# Altium PCB pay-ssm-v4-4.PcbDoc (part 1 of 4)
Units mm, origin at the board's own origin, x right, y up, seen from the top; angles counter-clockwise.
Board outline 127 x 55 mm, 6 copper layers (Top Layer, GND1, VCC, 3V3, GND2, Bottom Layer), stack 0.816 mm thick; 300 components, 219 nets, 1041 pads, 682 vias.
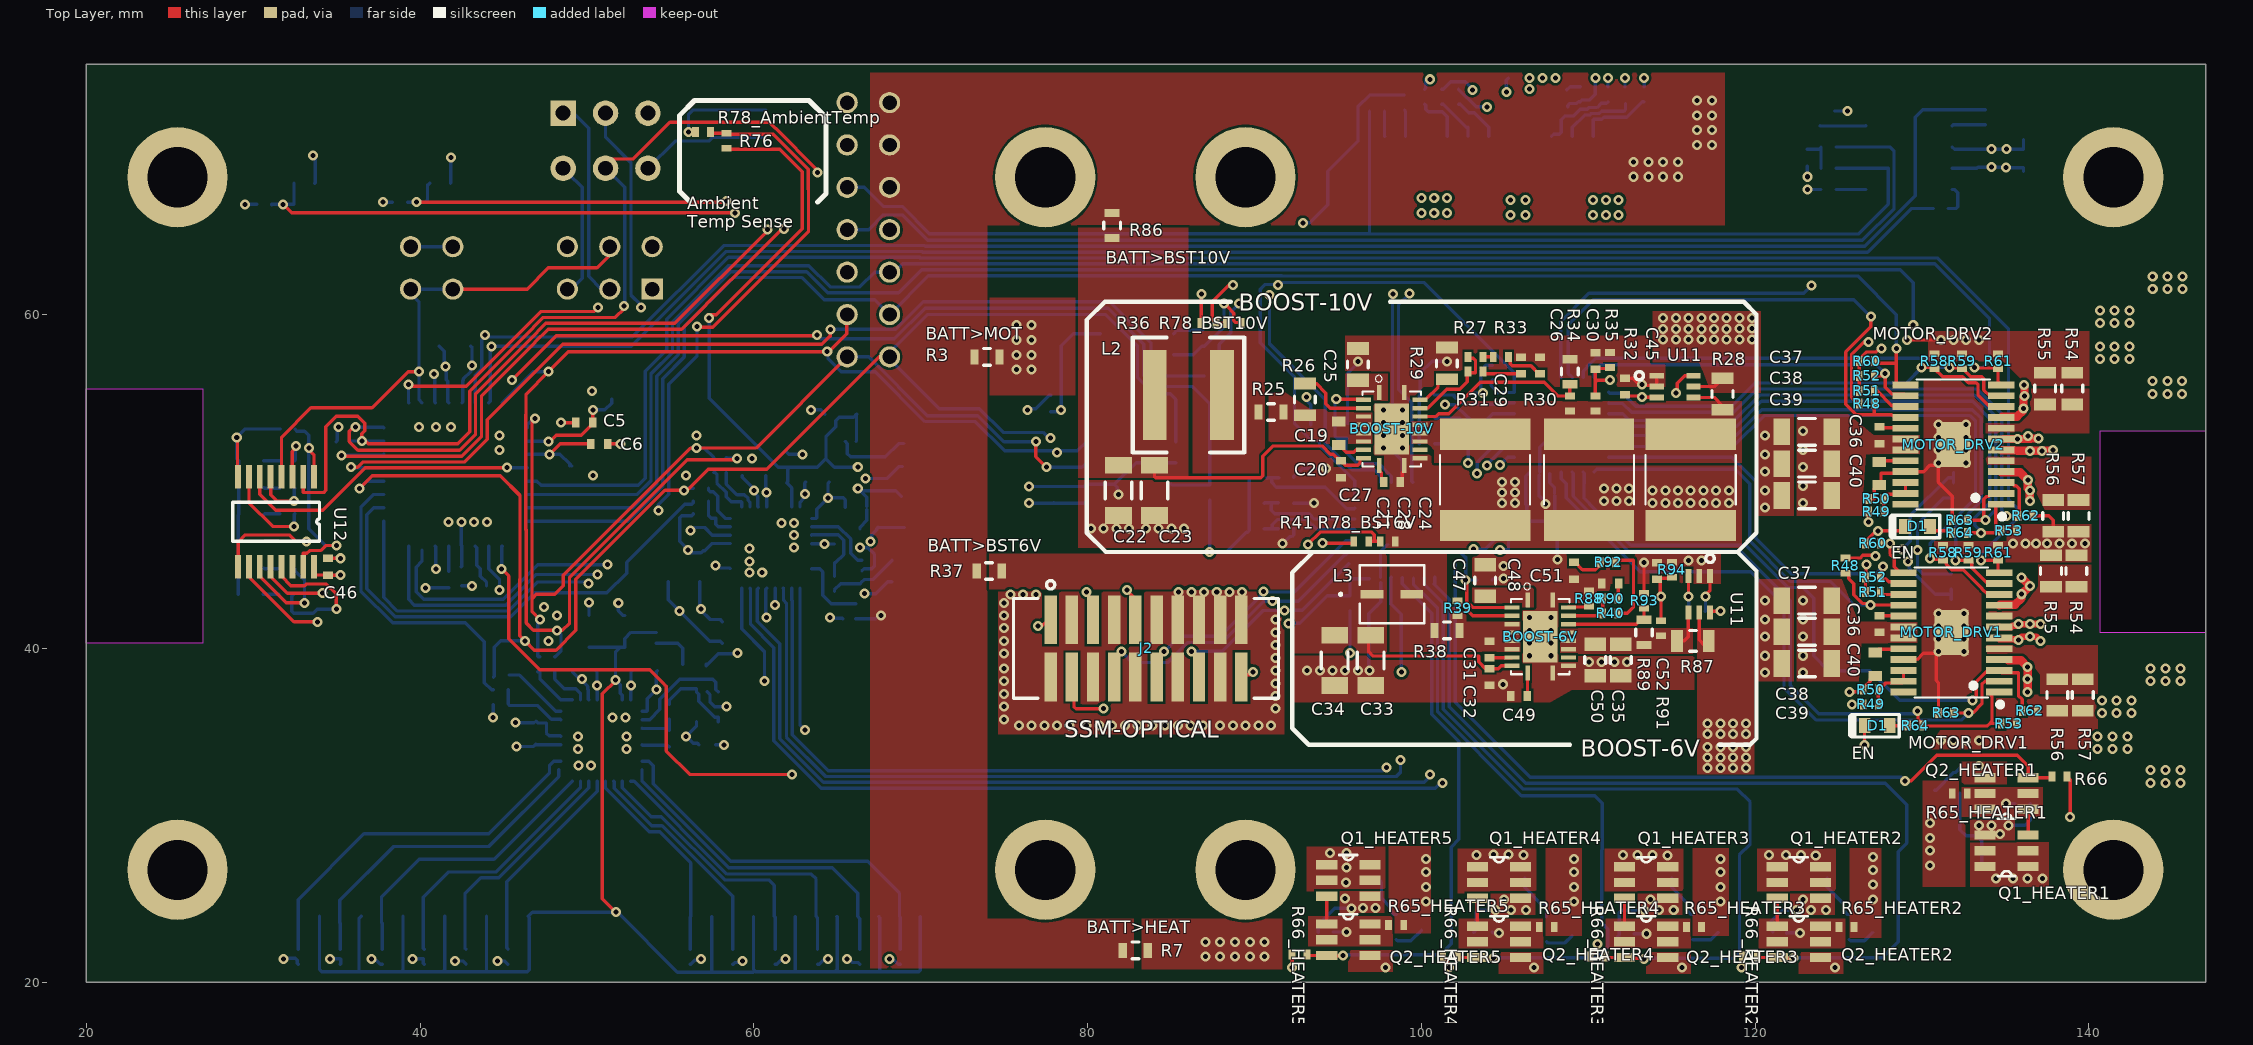
[diagram p0: Top Layer view]
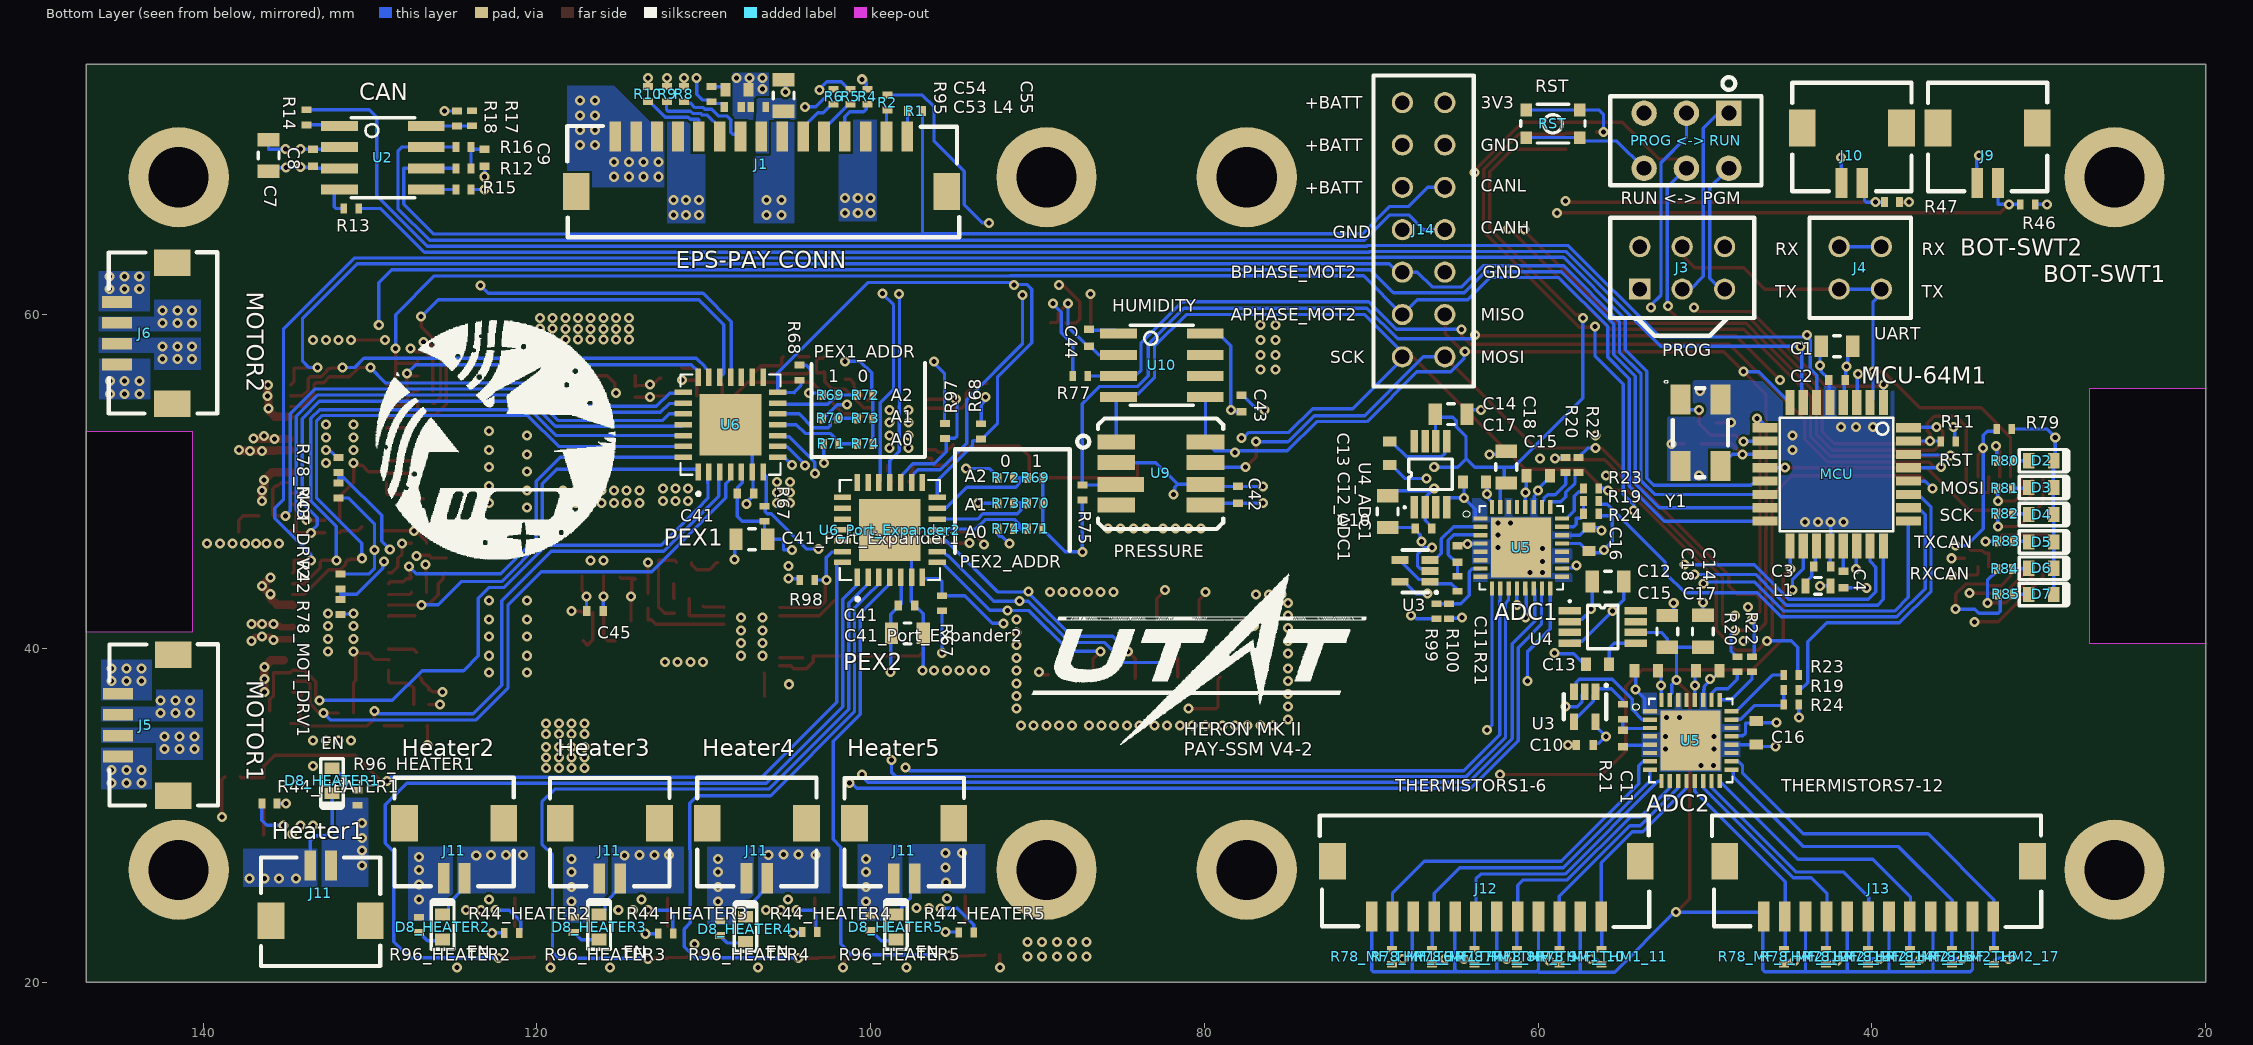
[diagram p1: Bottom Layer view, seen from below]
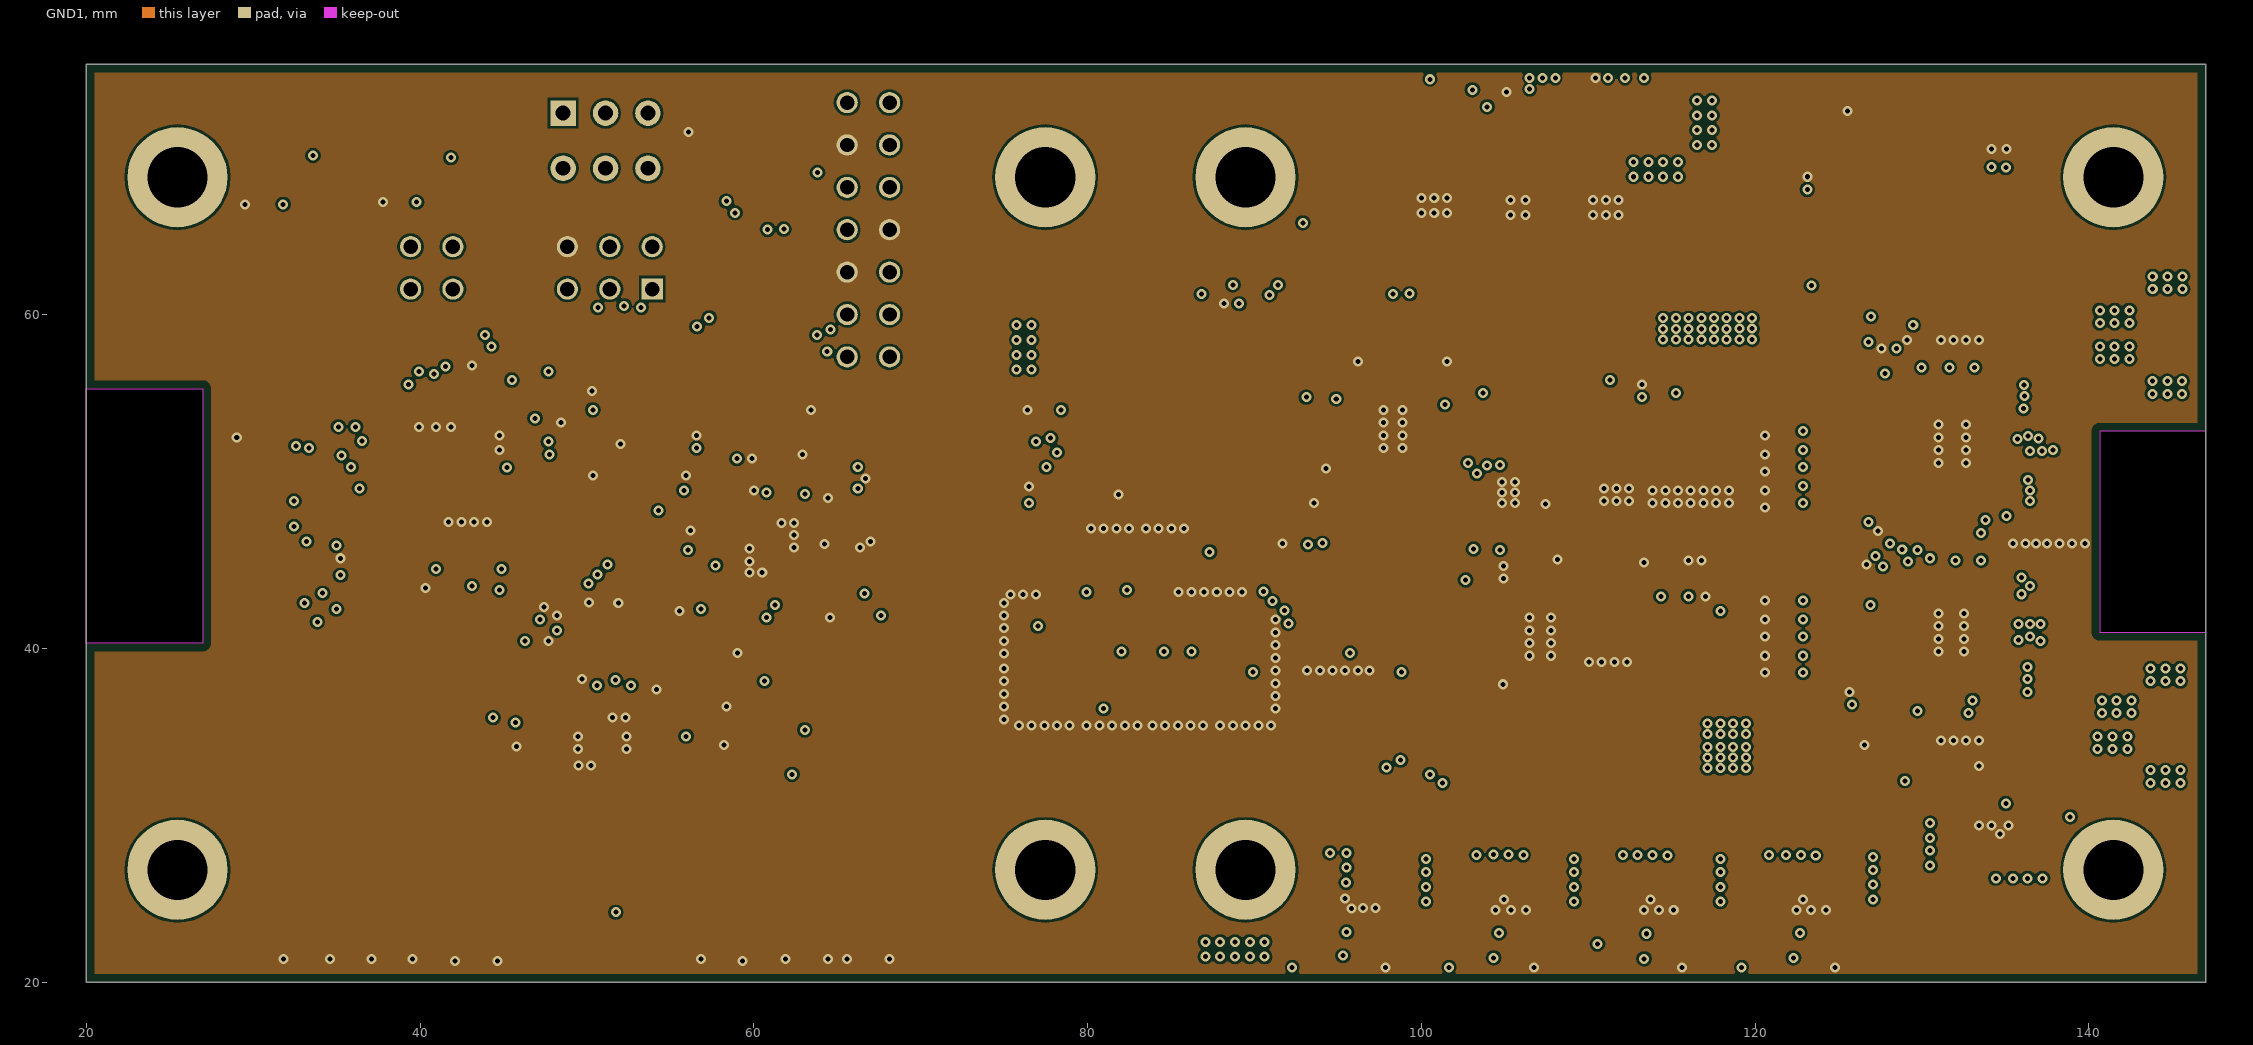
[diagram p2: GND1]
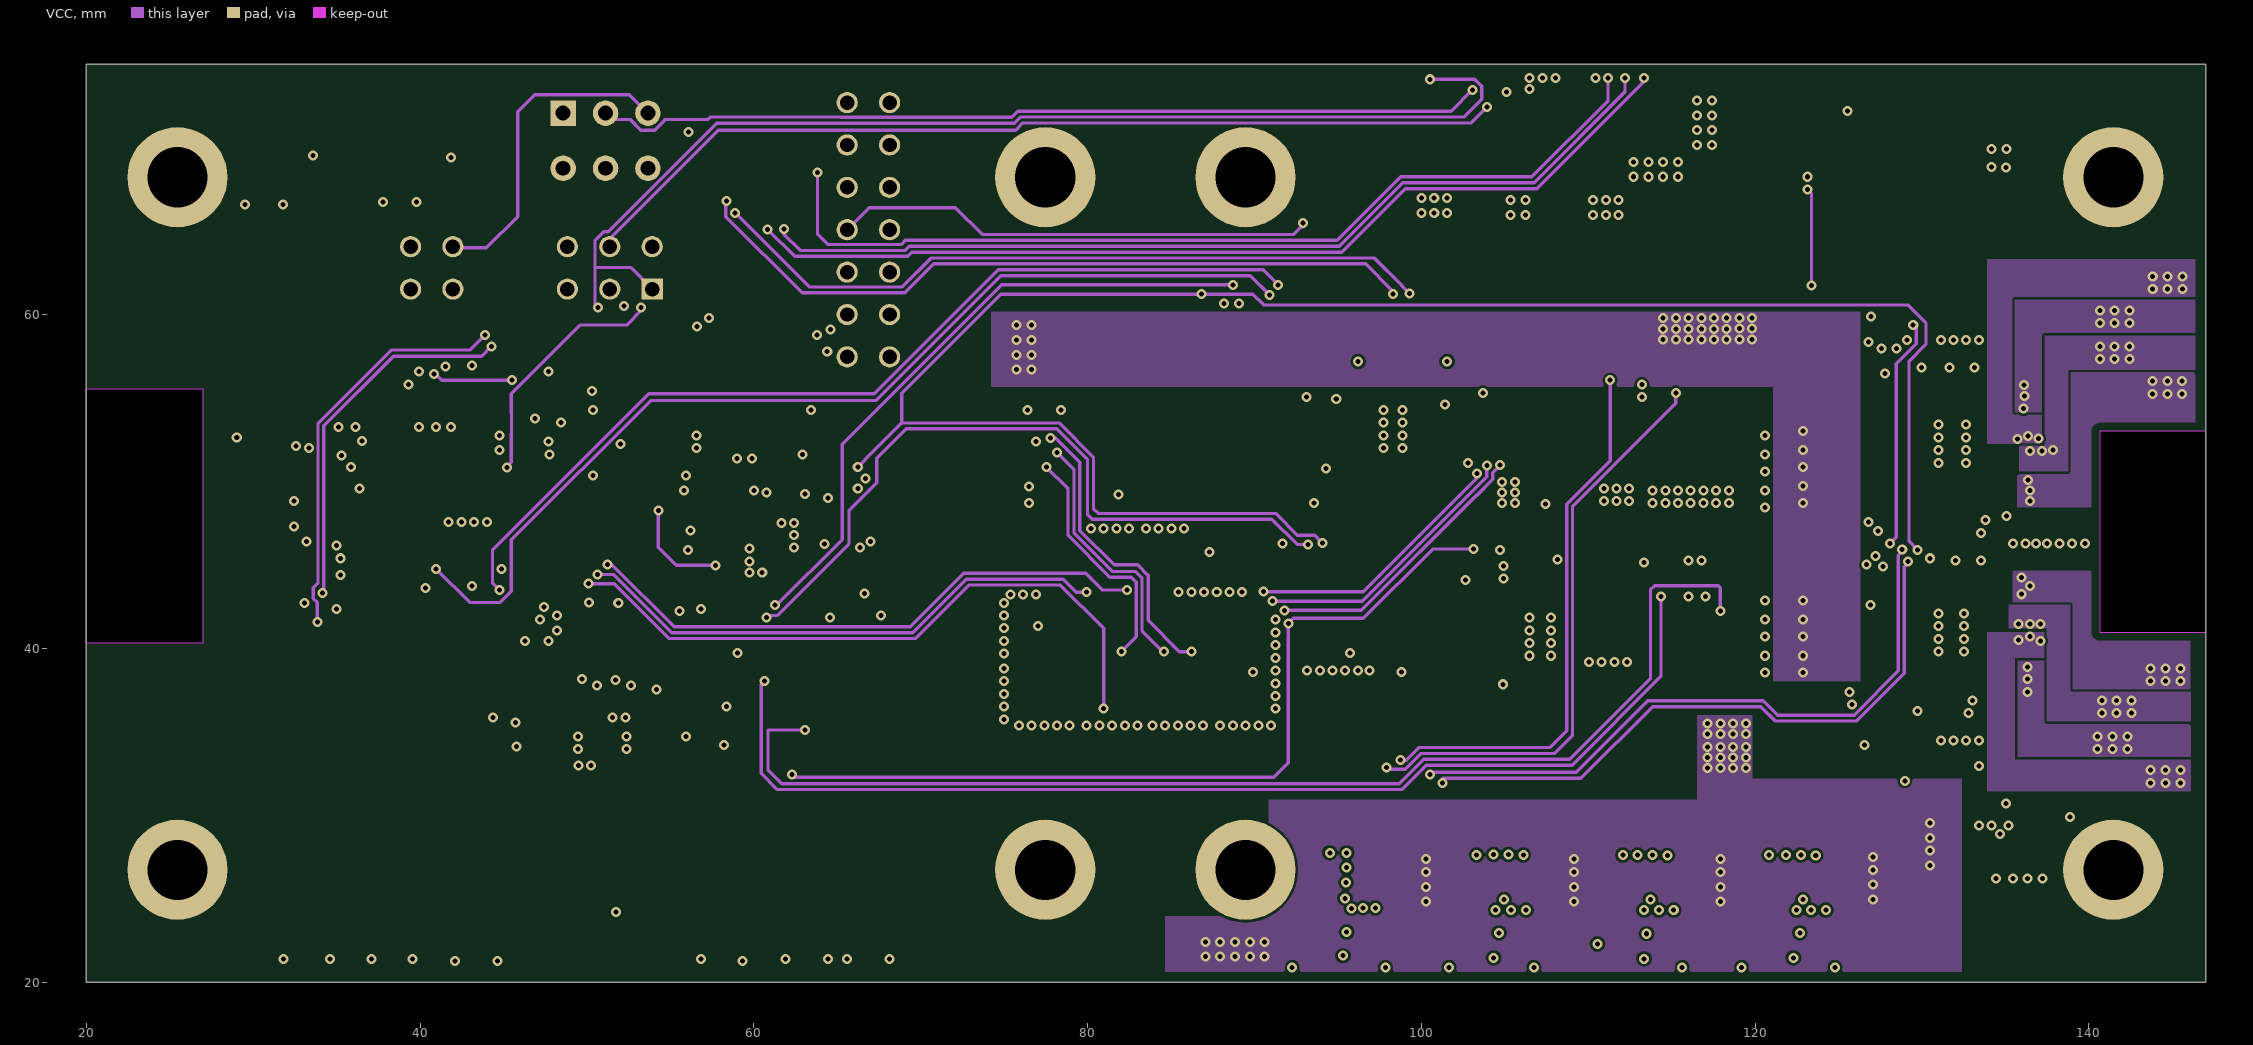
[diagram p3: VCC]
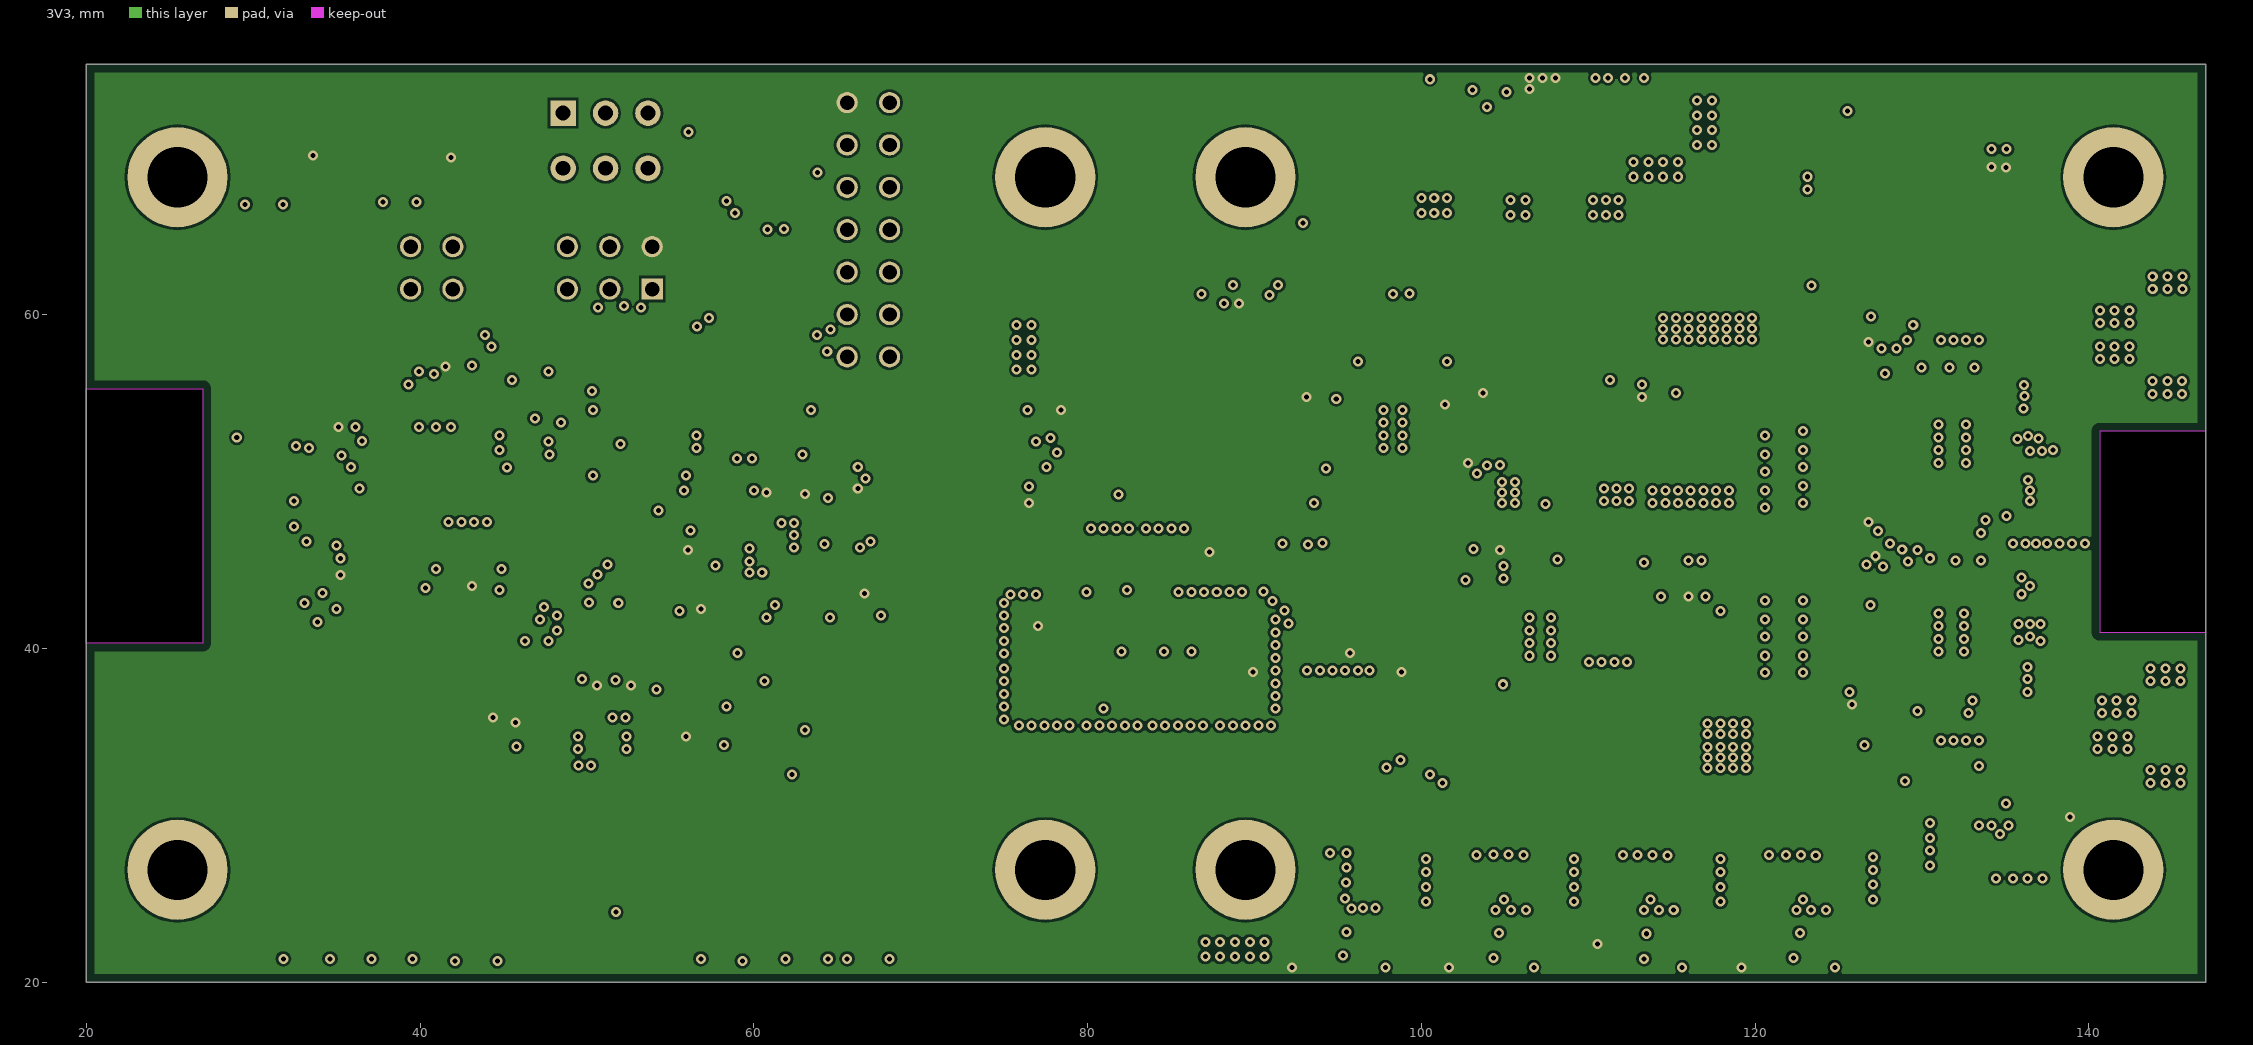
[diagram p4: 3V3]
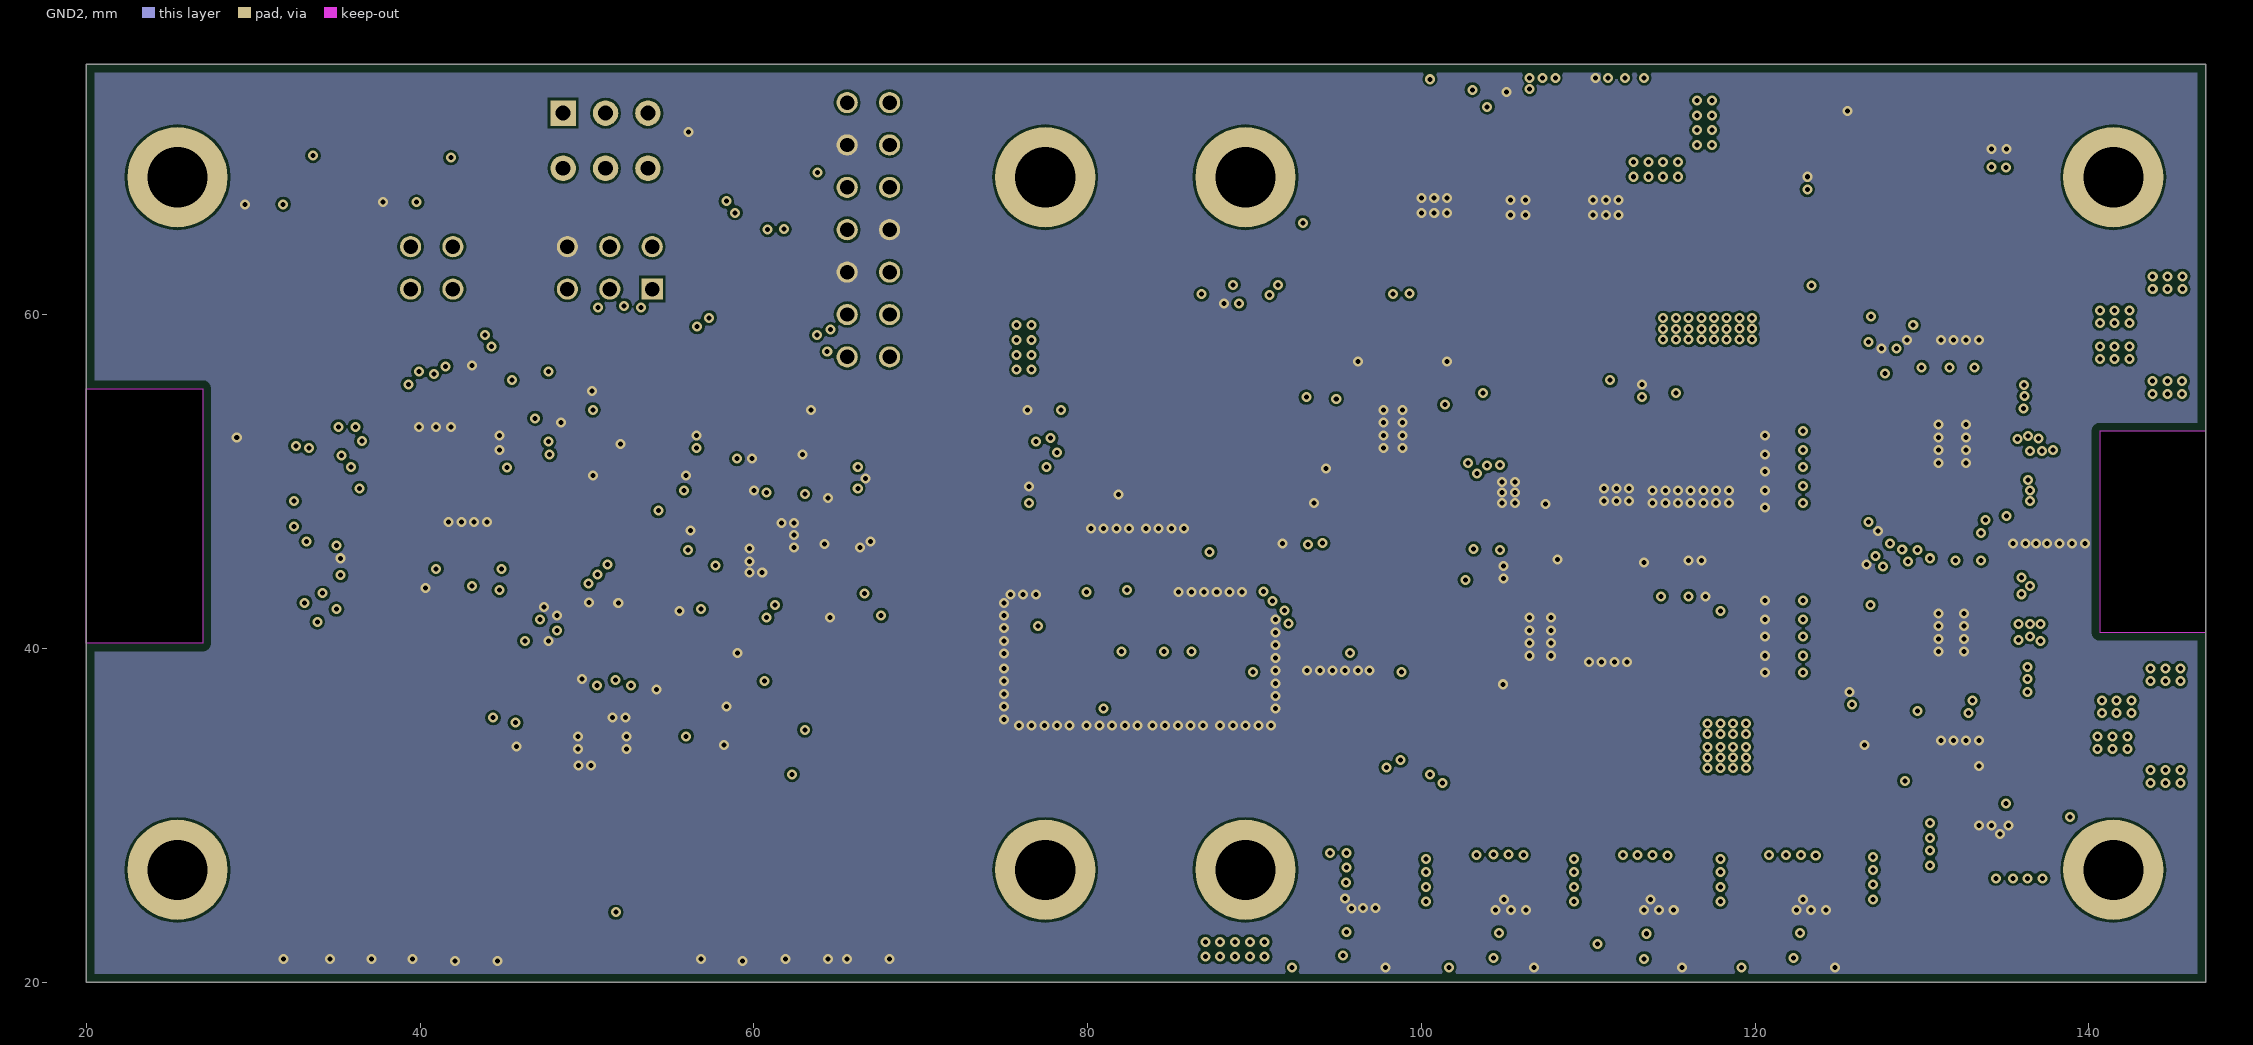
[diagram p5: GND2]
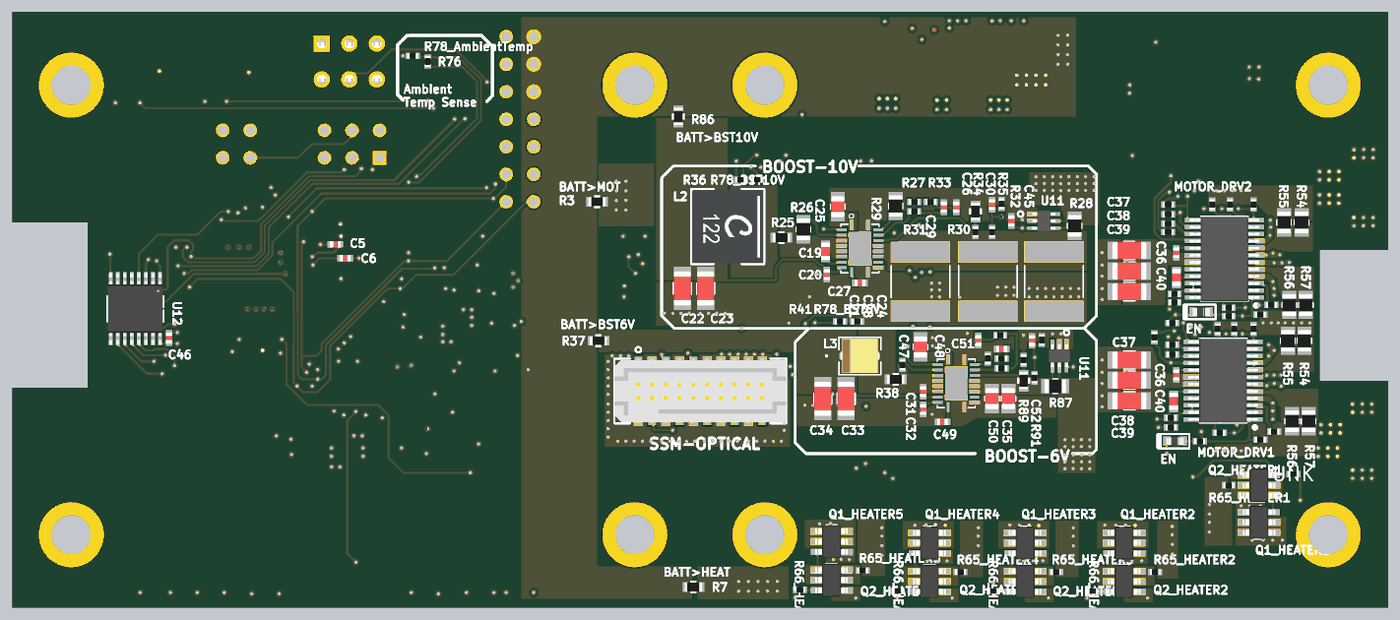
[diagram p9: 3D render of the assembled board from above, using the file's embedded part models]
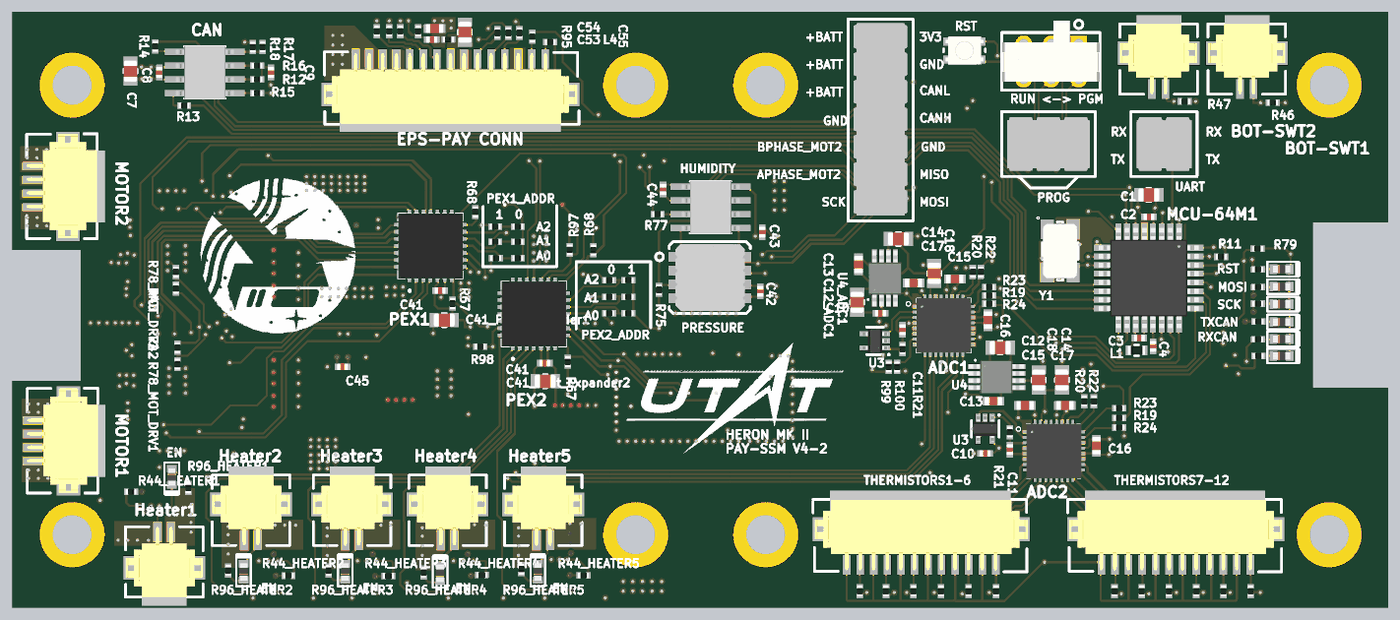
[diagram p10: 3D render of the assembled board from below, using the file's embedded part models]

## Layer stack, top to bottom
Top Solder: solder mask 0.0102, Solder Resist, Dk 3.5
Top Layer: signal copper 0.0356
Dielectric 4: prepreg 0.0711, PP-006, Dk 4.1
GND1: signal copper 0.035
Dielectric 2: prepreg 0.0711, PP-006, Dk 4.1
VCC: signal copper 0.035
Dielectric 1: dielectric 0.32, FR-4, Dk 4.8
3V3: signal copper 0.035
Dielectric 3: prepreg 0.0711, PP-006, Dk 4.1
GND2: signal copper 0.035
Dielectric 5: prepreg 0.0711, PP-006, Dk 4.1
Bottom Layer: signal copper 0.0356
Bottom Solder: solder mask 0.0102, Solder Resist, Dk 3.5

## Board outline
20,20 147,20 147,75 20,75
cut-out: 20,55.56 26.985,55.56 26.985,40.32 20,40.32
cut-out: 20,55.56
cut-out: 140.65,53.02 140.65,40.955 147,40.955 147,53.02
